# Altium PCB X1000_BB.PcbDoc (part 2 of 2)
Units mil, origin at the board's own origin, x right, y up, seen from the top; angles counter-clockwise.
Board outline 3000 x 3000 mil, 4 copper layers (Top Layer, Signal Layer 1, Signal Layer 2, Bottom Layer), stack 30.634 mil thick; 72 components, 101 nets, 488 pads, 170 vias.
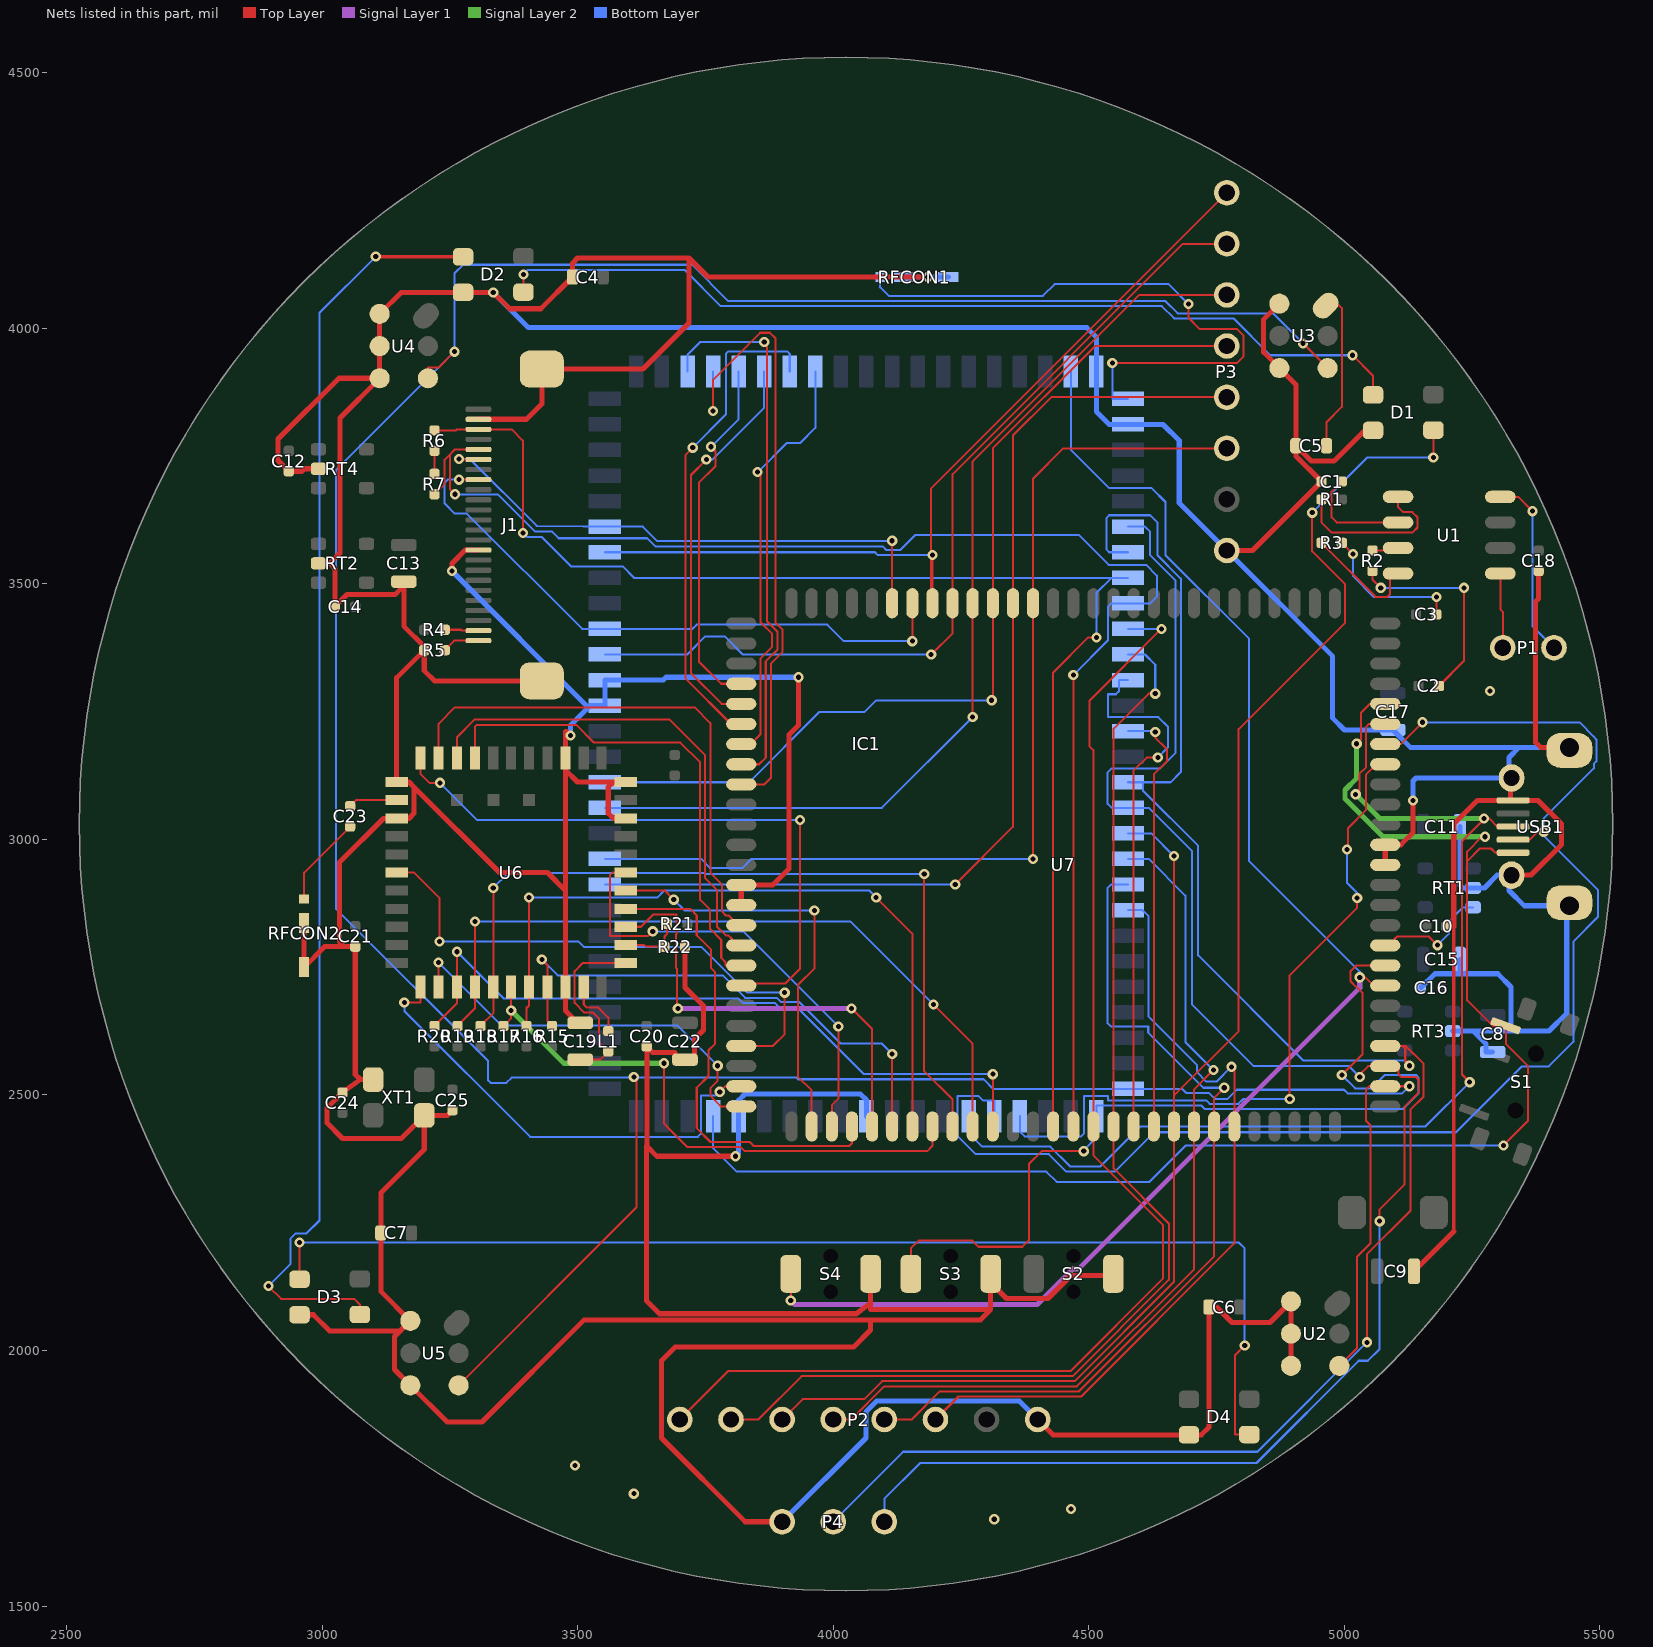
[diagram p4: the nets of this part, all layers, seen from the top]

## Via types
v1: diameter 20, hole 10, Top Layer to Bottom Layer, 170 vias

## Nets (pads, with @x,y where several pads share a name; then routed paths per layer and width w, separated by ;. In a path a pad name is that pad's centre, name@x,y a point inside that pad or via, vN(x,y) a via of type N, cw(c..) or ccw(c..) an arc to the next point about the centre after c; other vN are vias at no path point) (continued)
DMIC_CLK: IC1.94 U2.4 U3.4 U4.4 U5.4 U7.30 | length 6937.9
  Top Layer w4: U4.4@3207.24,3902.01 3207.24,3923 3228,3923 v1(3259,3954) ; U5.4@3267.24,1932.01 3615,2279.76 3615,2530 v1(3610,2535) ; v1(4919.24,3970) U3.4@4967.24,3922.01 ; U2.4@4990,1970 5025,2005 5025,2184 5051,2210 5051,2441 5042,2450 5042,2510 5048.93,2516.93 U7.30@5079.92,2516.93 v1(5127,2516.93)
  Bottom Layer w4: v1@3610,2527 v1@3610,2534 ; v1(3610,2535) v1@3610,2534 ; v1(4919.24,3970) 4860.24,4029 4674,4029 4650,4053 3795,4053 3724,4124 3276,4124 3259,4107 v1(3259,3954) 3027,3722 3027,2864.43 3324.66,2566.76 3324.66,2529.01 3330,2523.68 3360.66,2523.68 3370.99,2534 v1@3610,2534 ; v1(5127,2516.93) 5113.07,2503 5006.39,2503 4999.3,2510.09 4789.05,2510.09 4771.42,2492.46 4746.5,2492.46 4734.97,2504 4690.1,2504 4682.44,2511.65 IC1.94@4576.81,2511.65 4313.33,2511.65 4294.34,2530.64 3931.41,2530.64 3928.05,2534 v1@3610,2534
DVP_PWDN: IC1.38 J1.17 U7.75 | length 1216.7
  Top Layer w4: v1(3268,3703.58) J1.17@3306.02,3703.58 ; v1(4154.72,3387.69) U7.75@4154.72,3461.81
  Bottom Layer w4: v1(3268,3703.58) 3245.58,3703.58 3240,3698 3240,3657 3260,3637 3283.32,3637 3508.66,3411.65 IC1.38@3553.19,3411.65 3724.65,3411.65 3733,3420 3988.28,3420 4020.6,3387.69 v1(4154.72,3387.69)
DVP_RESET: IC1.42 J1.19 U7.76 | length 1073.6
  Top Layer w4: v1(3268,3744) 3269.05,3742.95 J1.19@3306.02,3742.95 ; U7.76@4115.35,3461.81 v1(4115.35,3584)
  Bottom Layer w4: v1(3268,3744) 3289,3744 3419.67,3613.33 3511.13,3611.65 IC1.42@3553.19,3611.65 3627.51,3611.65 3655.17,3584 v1(4115.35,3584)
GND: C1.1 C4.1 C5.1 C6.1 C7.1 C8.1 C9.1 C10.1 C11.1 C12.1 C13.1 C14.1 C15.1 C16.1 C17.1 C18.1 C19.2 C20.1 C21.1 C22.1 C24.1 C25.1 D1.2 D2.2 D3.2 D4.2 IC1.10 IC1.15 IC1.35 IC1.36 IC1.66 IC1.68 J1.0 J1.10 J1.23 P2.8 P3.8 P4.3 R5.2 R22.1 RFCON1.2 RFCON1.3 RFCON2.2 RFCON2.3 RT1.2 RT2.2 RT3.2 RT4.2 S2.2 S3.2 S4.2 U2.1 U2.2 U2.3 U3.1 U3.3 U4.1 U4.2 U4.3 U5.1 U5.3 U6.P1 U6.P3 U6.P20 U6.P31 U6.P33 U6.P36 U7.41 U7.42 U7.95 U7.96 USB1.0 USB1.5 XT1.2 XT1.4 | length 21925.7
  Top Layer w7: 5214,2233 5214,2830
  Top Layer w10: D3.2@2956,2070 2983,2070 3015,2038 3152.76,2038 ; RFCON2.2@2965,2836.61 RFCON2.3@2965,2750 3005,2790 3044,2790 ; RT2.2@2993,3540 3015,3540 ; RT4.2@2993,3725 2966,3725 2961,3720 C12.1@2935,3720 2914,3741 2914,3783 3033.01,3902.01 U4.3@3112.76,3902.01 ; XT1.4@3100,2530 3075,2530 ; C13.1@3160,3504 3160,3490 ; v1(3254,3525) 3254,3539.79 3280,3565.79 J1.10@3306.02,3565.79 ; C25.1@3255,2470 3245,2460 XT1.2@3200,2460 ; J1.23@3306.02,3821.69 3400,3821.69 3430,3851.69 J1.0@3430,3920 3628,3920 3718,4010 3718,4137 ; J1.0@3430,3310 3220,3310 3200,3330 R5.2@3200,3370 ; v1(3486,3203) 3478,3211 3476,3211 U6.P36@3476,3159 3476,3136 ; C19.2@3505,2641 3500.2,2641 3476,2665.2 U6.P20@3476,2711 3476,2900 ; U6.P31@3594,3041 3570,3041 3560,3051 3560,3102 3570,3112 ; U6.P33@3594,3112 3570,3112 ; C20.1@3635,2595 C20.1@3636,2594 ; R22.1@3710,2790 3710,2710.4 3746,2674.4 3746,2627.05 3728.95,2610 3728.95,2569 C22.1@3710,2569 3690,2569 3690,2583.36 3646.64,2583.36 C20.1@3636,2594 ; v1(3809,2380) 3655,2380 3635,2400 ; U7.96@3820.08,2871.26 U7.95@3820.08,2910.63 3881.63,2910.63 3913.5,2942.5 3913.5,3204.5 3932,3223 v1(3932,3317) ; P4.3@3900,1665 3828,1665 3664,1829 3664,1980 3691,2007 4040,2007 4073,2040 4073,2060 ; S4.2@4073,2150 4073,2093 ; v1(4185,4100) 3755,4100 3718,4137 ; S3.2@4308,2150 S3.2@4308,2133 ; P2.8@4400,1865 4430,1835 D4.2@4696,1835 4720,1835 4735,1850 C6.1@4735,2085 4750,2085 4780,2055 4854.53,2055 U2.1@4895.51,2095.98 U2.2@4895.51,2032.99 U2.3@4895.51,1970 ; S2.2@4548,2150 4548,2147 4465,2147 4420,2102 4339,2102 S3.2@4308,2133 ; P3.8@4770,3565 4820,3565 C1.1@4955,3700 4905,3750 C5.1@4905,3770 ; U3.1@4872.76,4047.99 4842,4017.24 4842,3952.76 U3.3@4872.76,3922.01 4905,3889.76 C5.1@4905,3770 ; D1.2@5056,3800 5040,3800 4980,3740 4935,3740 C5.1@4905,3770 ; U7.41@5079.92,2950 U7.42@5079.92,2989.37 5110.37,2989.37 5134,3013 v1(5134,3076) ; C9.1@5136,2155 5214,2233 ; C10.1@5200,2830 5214,2830 5214,3030.18 5260,3076.18 USB1.5@5325,3076.18 ; USB1.0@5322,2930 USB1.0@5327,2930 5365,2930 5425,2990 5425,3030 5378.82,3076.18 USB1.5@5330,3076.18 USB1.5@5325,3076.18 ; USB1.0@5322,3120 5322,3099 5325,3096 USB1.5@5325,3076.18 ; C18.1@5380,3525 5380,3471 5374,3465 5374,3190 5384,3180 USB1.0@5435,3180 ; 3015,3540 3035,3560 3035,3824.25 U4.3@3112.76,3902.01 ; 3015,3540 3025,3530 C14.1@3025,3455 3049,3479 3143,3479 3154,3490 3160,3490 ; 3044,2790 3034,2800 3034,2955 3120,3041 U6.P3@3146,3041 3170,3041 3180,3051 3180,3102 ; 3044,2790 C21.1@3065,2790 3065,2540 3075,2530 ; 3075,2530 C24.1@3040,2505 3010,2475 3010,2445 3040,2415 3155,2415 XT1.2@3200,2460 ; U4.3@3112.76,3902.01 U4.2@3112.76,3965 U4.1@3112.76,4027.99 3154.76,4070 D2.2@3276,4070 v1(3335,4070) 3367,4038 3428,4038 C4.1@3490,4100 3490,4127 3500,4137 3718,4137 ; 3152.76,2038 U5.1@3172.76,2057.99 3115,2115.75 C7.1@3115,2230 3115,2308 3200,2393 XT1.2@3200,2460 ; 3152.76,2038 3142,2027.24 3142,1962.76 U5.3@3172.76,1932.01 3244.76,1860 3313,1860 3513,2060 4073,2060 ; 3160,3490 3160,3417 3200,3377 R5.2@3200,3370 ; 3180,3102 3347,2935 3441,2935 3476,2900 ; 3180,3102 3170,3112 U6.P1@3146,3112 3146,3316 R5.2@3200,3370 ; 3476,2900 3476,3136 ; 3476,3136 3500,3112 3570,3112 ; 3635,2400 3636,2401 C20.1@3636,2594 ; 3635,2400 3635,2097 3660,2072 4045,2072 4073,2093 ; 4073,2060 4288,2060 4308,2080 ; 4073,2093 4073,2080 4308,2080 ; 4308,2080 S3.2@4308,2133
  Bottom Layer w10: v1(3254,3525) 3521,3258 ; v1(3335,4070) 3404,4001 4496,4001 4515,3982 IC1.66@4515,3915 4515,3836.65 4540,3811.65 IC1.68@4576.81,3811.65 4645.35,3811.65 4677,3780 4677,3658 P3.8@4770,3565 4977,3358 4977,3237 5000,3214 C17.1@5095,3214 5129,3180 5342,3180 ; v1(3486,3203) 3486,3223 3521,3258 ; v1(3809,2380) 3815,2386 IC1.15@3815,2458.31 3815,2489.69 3827.31,2502 4053,2502 4065,2490 IC1.10@4065,2458.31 ; P4.3@3900,1665 4064,1829 4064,1880 4085,1901 4364,1901 P2.8@4400,1865 ; v1(3932,3317) 3673,3317 3667.65,3311.65 IC1.36@3553.19,3311.65 IC1.35@3553.19,3261.65 3524.65,3261.65 3521,3258 ; RFCON1.2@4138.39,4100 v1(4185,4100) RFCON1.3@4225,4100 ; v1(5134,3076) 5134,3114 5140,3120 5322,3120 5322,3160 5342,3180 ; C16.1@5150,2710 5177,2737 5226,2737 ; RT3.2@5212,2625 5252,2625 ; C15.1@5226,2765 5226,2737 ; C11.1@5226,3025 5226,2910 5231,2905 RT1.2@5252,2905 5274,2905 5299,2930 5322,2930 5322,2900 5352,2870 5435,2870 5435,2660 5400,2625 5311,2625 ; C8.1@5290,2584 5277,2584 5277,2600 5252,2625 ; USB1.0@5435,3180 5342,3180 ; 5226,2737 5300,2737 5326,2711 5326,2640 5311,2625 ; 5252,2625 5311,2625
  other v1: 4315,1670 4465,1690 3610,1720 3495,1775 5285,3290
HOST_WAKE_BT: U6.P6 U7.103 | length 1081.9
  Top Layer w4: U6.P6@3146,2935 3180,2935 3230,2885 v1(3230,2800) ; U7.103@3820.08,2595.67 3882,2595.67 3905,2618.67 v1(3905,2700)
  Bottom Layer w4: v1(3230,2800) 3502,2800 3513,2789 3742.67,2789 3831.67,2700 v1(3905,2700)
LED_Red: IC1.78 U7.18 | length 1056.6
  Top Layer w4: U7.18@4587.8,2438.19 4587.8,3134.8 4613,3160 v1(4635,3160)
  Bottom Layer w4: IC1.78@4576.81,3311.65 4559,3311.65 4559,3290 4552.83,3283.83 4537.32,3283.83 4537.32,3239 4636,3239 4655,3220 4655,3180 v1(4635,3160)
MSC0_CLK: IC1.54 U7.87 | length 977.1
  Top Layer w4: v1(3725.21,3766.25) 3711.17,3752.21 3711.17,3314.42 3800,3225.59 U7.87@3820.08,3225.59
  Bottom Layer w4: v1(3725.21,3766.25) 3790,3831.04 3790,3949.5 3795,3954.5 3910,3954.5 3915,3949.5 IC1.54@3915,3915
MSC0_CMD: IC1.55 U7.88 | length 838.9
  Top Layer w4: U7.88@3820.08,3186.22 3838.83,3186.22 3857.61,3205 3857.61,3353.63 3880.61,3376.63 3880.61,3402.1 3857.61,3425.1 3857.61,3712.79 v1(3852,3718.39)
  Bottom Layer w4: v1(3852,3718.39) 3908.67,3775.06 3935,3775.06 3965,3805.06 IC1.55@3965,3915
MSC0_D0: IC1.53 U7.86 | length 779.3
  Top Layer w4: v1(3751.75,3742.79) 3721.75,3712.79 3721.75,3324.87 3781.66,3264.96 U7.86@3820.08,3264.96
  Bottom Layer w4: v1(3751.75,3742.79) 3763.22,3742.79 3865,3844.57 IC1.53@3865,3915
MSC0_D1: IC1.52 U7.85 | length 707.8
  Top Layer w4: v1(3761,3768) 3769.75,3759.25 3769.75,3730 3737,3697.25 3737,3347.92 3780.59,3304.33 U7.85@3820.08,3304.33
  Bottom Layer w4: v1(3761,3768) 3815,3822 IC1.52@3815,3915
MSC0_D2: IC1.51 U7.90 | length 1241.2
  Top Layer w4: v1(3765,3838) 3765,3899.09 3856.91,3991 3876,3991 3887,3980 3887,3424 3901,3410 3901,3366.86 3878,3343.86 3878,3120 3865.48,3107.48 U7.90@3820.08,3107.48
  Bottom Layer w4: v1(3765,3838) IC1.51@3765,3915
MSC0_D3: IC1.50 U7.89 | length 1080
  Top Layer w4: U7.89@3820.08,3146.85 3854.85,3146.85 3868,3160 3868,3348 3891,3371 3891,3405.85 3870.62,3426.23 3870.62,3967.38 v1(3865,3973)
  Bottom Layer w4: IC1.50@3715,3915 3715,3948 3740,3973 v1(3865,3973)
MSC1_CLK: R17.1 U6.P17 U7.8 | length 1131.7
  Top Layer w4: R17.1@3355,2635 3370,2650 U6.P17@3370,2711 ; v1(3669,2562) 3669,2444 3715,2398 3818.9,2398 3826.9,2390 4184.09,2390 4194.09,2400 U7.8@4194.09,2438.19
  Signal Layer 2 w10: v1(3370,2665) 3473,2562 v1(3669,2562)
MSC1_CMD: R18.1 U6.P16 U7.9 | length 1653
  Top Layer w4: R18.1@3310,2635 3335,2660 U6.P16@3335,2711 v1(3335,2905) ; v1(4178,2932) 4178,2546.46 4233.46,2491 U7.9@4233.46,2438.19
  Bottom Layer w4: v1(3335,2905) 3364,2934 3749.55,2934 3751.55,2932 v1(4178,2932)
MSC1_D0: R16.1 U6.P18 U7.7 | length 1420.8
  Top Layer w4: R16.1@3400,2635 3400,2670 3405,2675 U6.P18@3405,2711 v1(3405,2886) ; v1(4084,2886) 4154.72,2815.28 U7.7@4154.72,2438.19
  Bottom Layer w4: v1(3405,2886) 3656,2886 3670,2900 4070,2900 v1(4084,2886)
MSC1_D1: R15.1 U6.P19 U7.6 | length 1042.1
  Top Layer w4: v1(3430,2765) 3441,2754 U6.P19@3441,2711 3441,2644 R15.1@3450,2635 ; U7.6@4115.35,2438.19 v1(4115.35,2580)
  Bottom Layer w4: v1(3430,2765) 3461,2734 3783.53,2734 3827.53,2690 3889.54,2690 3897.54,2682 3933,2682 4014.49,2600.51 4094.84,2600.51 v1(4115.35,2580)
MSC1_D2: R20.1 U6.P14 U7.11 | length 1413
  Top Layer w4: R20.1@3220,2635 3264,2679 U6.P14@3264,2711 v1(3264,2780) ; U7.11@4312.2,2438.19 v1(4312.2,2540.64)
  Bottom Layer w4: v1(3264,2780) 3355,2689 3814.39,2689 3823.39,2680 3885.4,2680 3893.4,2672 3928.86,2672 4060.22,2540.64 v1(4312.2,2540.64)
MSC1_D3: R19.1 U6.P15 U7.10 | length 1452.8
  Top Layer w4: R19.1@3265,2635 3299,2669 U6.P15@3299,2711 v1(3299,2839) ; v1(4196,2677) 4272.83,2600.17 U7.10@4272.83,2438.19
  Bottom Layer w4: v1(3299,2839) 4034,2839 v1(4196,2677)
NetC1_2: C1.2 U1.2 | length 212.4
  Top Layer w4: C1.2@4995,3700 4975,3680 4975,3630 4985,3620 U1.2@5105,3620
NetC2_2: C2.2 R2.2 | length 414.9
  Top Layer w4: R2.2@5055,3525 5055,3508 v1(5071,3492) ; C2.2@5185,3300 5234,3349 v1(5234,3492)
  Bottom Layer w4: v1(5071,3492) v1(5234,3492)
NetC3_2: C3.2 R3.2 | length 288.2
  Top Layer w4: R3.2@4995,3580 v1(5017,3558) ; C3.2@5180,3440 v1(5180,3474)
  Bottom Layer w4: v1(5017,3558) 5017,3514.84 5057.84,3474 v1(5180,3474)
NetC19_1: C19.1 L1.1 U6.P23 | length 362.6
  Top Layer w4: C19.1@3505,2569 3544,2569 L1.1@3560,2585 3542,2603 3542,2649 3530,2661 3513,2661 3494,2680 3494,2742 3510,2758 U6.P23@3594,2758
NetC23_1: C23.1 U6.P2 | length 96
  Top Layer w4: C23.1@3055,3065 3067,3077 U6.P2@3146,3077
NetC23_2: C23.2 RFCON2.1 | length 179.2
  Top Layer w4: RFCON2.1@2965,2883.07 2965,2935 C23.2@3055,3025
NetD1_1: D1.1 D2.3 | length 1823.5
  Top Layer w4: D2.3@3394,4070.55 v1(3394,4105) ; v1(5016,3947) 5056,3907 D1.1@5056,3869.45
  Bottom Layer w4: v1(3394,4105) 3403,4114 3709,4114 3780,4043 4642.91,4043 4666.91,4019 4783,4019 4855,3947 v1(5016,3947)
NetD2_1: D2.1 D3.3 | length 2498
  Top Layer w4: v1(2895,2126) 2920,2101 3063,2101 3074,2090 D3.3@3074,2070.55
  Top Layer w7: v1(3105,4140) 3105.55,4139.45 D2.1@3276,4139.45
  Bottom Layer w4: v1(2895,2126) 2938,2169 2938,2218.57 2948.54,2229.12 2969.69,2229.12 2995,2254.43 2995,4030 v1(3105,4140)
NetD3_1: D3.1 D4.3 | length 2325.6
  Top Layer w4: D3.1@2956,2139.45 v1(2956,2211.12) ; v1(4805,2010) 4786,1991 4786,1835.55 D4.3@4814,1835.55
  Bottom Layer w4: v1(2956,2211.12) 4793.88,2211.12 4805,2200 v1(4805,2010)
NetJ1_1: J1.1 R5.1 | length 73.7
  Top Layer w4: R5.1@3240,3370 3258.62,3388.62 J1.1@3306.02,3388.62
NetJ1_2: J1.2 R4.1 | length 66.7
  Top Layer w4: R4.1@3240,3410 3272,3410 3273.69,3408.31 J1.2@3306.02,3408.31
NetL1_2: L1.2 U6.P21 | length 118.9
  Top Layer w4: U6.P21@3512,2711 3512,2676.86 3517.86,2671 3540,2671 3560,2651 L1.2@3560,2625
NetP1_1: P1.1 U1.5 | length 147.1
  Top Layer w4: U1.5@5305,3520 5305,3450 5310,3445 P1.1@5310,3375
NetP1_2: P1.2 U1.8 | length 359
  Top Layer w4: U1.8@5305,3670 5340,3670 v1(5368,3642)
  Bottom Layer w4: v1(5368,3642) 5368,3417 P1.2@5410,3375
NetR1_1: R1.1 U1.1 | length 331.7
  Top Layer w4: R1.1@4955,3665 4955,3620 4975,3600 5133,3600 5143,3610 5143,3630 5133,3640 5115,3640 5105,3650 U1.1@5105,3670
NetR2_1: R2.1 U1.3 | length 52.1
  Top Layer w4: R2.1@5055,3565 5077,3565 5082,3570 U1.3@5105,3570
NetR3_1: R3.1 U1.4 | length 236.4
  Top Layer w4: R3.1@4955,3580 5061,3474 5083.46,3474 5089.46,3480 5089.46,3520 U1.4@5105,3520
NetR21_1: R21.1 R22.2 U6.P24 | length 124.3
  Top Layer w4: U6.P24@3594,2793 3630,2793 3633,2790 R22.2@3670,2790 3670,2810 3675,2815 R21.1@3675,2835
OTG_DM: IC1.5 U7.47 USB1.2 | length 2738.1
  Top Layer w4: U7.47@5079.92,3186.22 5110.22,3186.22 v1(5153,3229) ; USB1.2@5325,2999.41 5362.41,2999.41 5378,3015 v1(5390,3015)
  Bottom Layer w4: IC1.5@4315,2458.31 4315,2489 4293.18,2489 4284.37,2497.8 4242.83,2497.8 4242.83,2420 4278.83,2384 4422,2384 4456,2350 4550.65,2350 4627.65,2427 5218.39,2427 5347.39,2556 5400,2556 5448,2604 5448,2800 5496,2848 5496,2901 5390,3007 v1(5390,3015) 5390,3041 5488,3139 5488,3147.62 5493,3152.62 5493,3195.38 5488,3200.38 5488,3201 5460,3229 v1(5153,3229)
OTG_DP: IC1.6 U7.48 USB1.3 | length 2148.9
  Top Layer w4: v1(5022,3088) 5029.39,3095.39 5029.39,3128.05 5042.39,3141.05 5042.39,3219.98 5048,3225.59 U7.48@5079.92,3225.59 ; v1(5245,2525) 5230,2540 5230,2996 v1@5268,3034 ; v1(5273,3041) 5283,3041 5299,3025 USB1.3@5325,3025
  Signal Layer 2 w10: v1(5022,3088) 5069,3041 v1(5273,3041)
  Bottom Layer w4: IC1.6@4265,2458.31 4265,2425 4291.19,2398.81 4424.77,2398.81 4463.59,2360 4522.19,2360 4600.48,2438.29 5158.29,2438.29 v1(5245,2525)
OTG_ID: IC1.4 U7.46 | length 1415.1
  Top Layer w4: v1(4893,2492) 4893,2734 5025,2866 v1(5025,2885) ; v1@5010,2977 5007,2980 5007,3022 5042,3057 5042,3126 5062.85,3146.85 U7.46@5079.92,3146.85
  Bottom Layer w4: IC1.4@4365,2458.31 4365,2428.53 4374.72,2418.81 4485,2418.81 4491,2424.81 4491,2498 4537.32,2498 4537.32,2489.48 4729.49,2489.48 4736.5,2482.46 4792.5,2482.46 4802.04,2492 v1(4893,2492) ; v1(5005,2980) 5005,2915 5025,2895 v1(5025,2885)
OTG_VBUS: IC1.16 S1.1 U7.49 USB1.1 | length 3010.9
  Top Layer w4: v1(5024,3187) 5032.39,3195.39 5032.39,3247.35 5050,3264.96 U7.49@5079.92,3264.96 ; v1(5275,3005) 5269,3005 5240,2976 5240,2957 ; v1(5311,2401) 5359,2449 5359,2557 5316,2600 5316,2635.22 S1.1@5315.3,2635.22 5290,2635.22 5240,2685.22 5240,2957 ; USB1.1@5325,2973.82 5295,2973.82 5286.82,2982 5265,2982 5240,2957
  Signal Layer 2 w10: v1(5024,3187) 5024,3119.7 5001,3096.7 5001,3079.3 5075.3,3005 v1(5275,3005)
  Bottom Layer w4: IC1.16@3765,2458.31 3765,2395.89 3810.9,2350 4417,2350 4437,2330 4618.79,2330 4689.79,2401 v1(5311,2401)
PCM_CLK: U6.P26 U7.4 | length 943.6
  Top Layer w4: U6.P26@3594,2864 3720,2864 3733,2851 3733,2812 3761,2784 3761,2748 3769,2740 3769,2600 3756,2587 3756,2537 3733,2514 3733,2435 3760,2408 3836.9,2408 3844.9,2400 4031.61,2400 4036.61,2405 U7.4@4036.61,2438.19
PCM_DI: U6.P25 U7.5 | length 882.4
  Top Layer w4: U6.P25@3594,2829 3624,2829 3648,2853 3693,2853 3693,2814 3692,2813 3692,2749 3694,2747 3694,2671 v1(3696,2669) ; v1(4036,2669) 4075.98,2629.02 U7.5@4075.98,2438.19
  Signal Layer 1 w10: v1(3696,2669) v1(4036,2669)
PCM_DO: U6.P27 U7.2 | length 832.4
  Top Layer w4: U6.P27@3594,2900 3670,2900 v1(3688,2882) ; U7.2@3957.87,2438.19 3957.87,2509 3931,2535.87 3931,2715 3963,2747 v1(3963,2861)
  Bottom Layer w4: v1(3688,2882) 3709,2861 v1(3963,2861)
PCM_SYN: U6.P28 U7.3 | length 880.9
  Top Layer w4: U6.P28@3594,2935 3568,2935 3563,2930 3563,2811 3638,2811 v1(3647,2820) ; U7.3@3997.24,2438.19 3997.24,2480 4010,2492.76 v1(4010,2634)
  Bottom Layer w4: v1(3647,2820) 3824,2820 v1(4010,2634)
PWR_ON: RT1.3 U7.37 | length 238.4
  Top Layer w4: U7.37@5079.92,2792.52 5098,2792.52 5098,2805 5103,2810 5165,2810 v1(5182,2793)
  Bottom Layer w4: v1(5182,2793) 5205,2816 5205,2840 5232,2867 RT1.3@5252,2867
RESET_N: IC1.1 S3.1 U7.36 | length 1815.8
  Top Layer w4: S3.1@4152,2150 4152,2200 4167,2215 4272,2215 4284,2203 4370,2203 4383,2216 4383,2365 4408,2390 v1(4490,2390) ; v1(4995,2539) 5035,2579 5035,2700 5023,2712 5022.54,2712 5012,2722.54 5012,2742 5023.15,2753.15 U7.36@5079.92,2753.15
  Bottom Layer w4: v1(4490,2390) 4490,2392 4515,2417 IC1.1@4515,2458.31 4515,2479.48 4719.49,2479.48 4726.5,2472.46 5114.46,2472.46 5145,2503 5145,2534 5140,2539 5079,2539 5053,2513 5021,2513 v1(4995,2539)
RF_IN: IC1.67 RFCON1.1 | length 1208.8
  Top Layer w4: v1(4546,3932) 4790,3932 4803,3945 4803,3985 4790,3998 4717,3998 4695,4020 v1(4695,4047)
  Bottom Layer w4: RFCON1.1@4091.93,4100 4091.93,4080 4108.93,4063 4410.02,4063 4433.02,4086 4656,4086 v1(4695,4047) ; v1(4546,3932) 4546,3861.65 IC1.67@4576.81,3861.65
SDCARD_CD: IC1.80 U7.19 | length 846.7
  Top Layer w4: U7.19@4627.17,2438.19 4627.17,3127.17 4642,3142 4642.46,3142 4653,3152.54 4653,3176 4630,3199 v1(4630,3210)
  Bottom Layer w4: IC1.80@4576.81,3211.65 4628,3211.65 4630,3209.65 v1(4630,3210)
SMB0_SCL: IC1.75 J1.20 R7.1 U7.15 | length 2884.9
  Top Layer w4: R7.1@3220,3675 3240,3695 3240,3742.64 3250,3752.64 ; v1(3260,3675) 3250,3685 3250,3752.64 ; J1.20@3306.02,3762.64 3260,3762.64 3250,3752.64 ; U7.15@4469.69,2438.19 v1(4469.69,3321.37)
  Bottom Layer w4: v1(3260,3675) 3343.86,3675 3416.86,3602 3450,3602 3463,3589 3636,3589 3652,3573 4097,3573 4104,3566 4131,3566 4160,3595 4481,3595 4539,3537 4612,3537 4633,3516 4633,3474.65 4620,3461.65 IC1.75@4576.81,3461.65 4543.97,3461.65 4537.32,3455 4537.32,3389 v1(4469.69,3321.37)
SMB0_SDA: IC1.74 J1.22 R6.1 U7.14 | length 2714
  Top Layer w4: R6.1@3220,3800 3262,3800 3264.01,3802.01 J1.22@3306.02,3802.01 3370.99,3802.01 3393,3780 v1(3393,3599.22) ; U7.14@4430.32,2438.19 4430.32,3326.32 4499,3395 v1(4515,3395)
  Bottom Layer w4: v1(3393,3599.22) 3400.56,3591.65 3429.35,3591.65 3487,3534 3588,3534 3610.35,3511.65 4544.65,3511.65 ; v1(4515,3395) 4515,3482 4544.65,3511.65 ; IC1.74@4576.81,3511.65 4544.65,3511.65
SMB1_SCL/PA00: IC1.29 P3.6 U7.69 | length 2000.6
  Top Layer w4: v1(4390.94,2961.65) U7.69@4390.94,3461.81 4390.94,3705.94 4450,3765 P3.6@4770,3765
  Bottom Layer w4: IC1.29@3553.19,2961.65 3741.45,2961.65 3759.55,2943.56 3822.03,2943.56 3840.12,2961.65 v1(4390.94,2961.65)
SMB1_SCL/PWM1/PC26: IC1.77 P2.2 U7.17 | length 2320.9
  Top Layer w4: P2.2@3800,1865 3853.33,1865 3938.33,1950 4468.43,1950 4656.54,2138.1 4656.54,2248.46 4548.43,2356.57 U7.17@4548.43,2438.19 4548.43,3216.43 4617,3285 v1(4630,3285)
  Bottom Layer w4: IC1.77@4576.81,3361.65 4610,3361.65 4630,3341.65 v1(4630,3285)
SMB1_SDA/PA01: IC1.28 P3.5 U7.70 | length 2060.1
  Top Layer w4: v1(4238.65,2911.65) 4351.57,3024.57 U7.70@4351.57,3461.81 4351.57,3790.01 4426.57,3865 P3.5@4770,3865
  Bottom Layer w4: IC1.28@3553.19,2911.65 v1(4238.65,2911.65)
SMB1_SDA/PWM2/PC27: IC1.76 P2.1 U7.16 | length 2513.4
  Top Layer w4: P2.1@3700,1865 3795,1960 4464.29,1960 4645,2140.71 4645,2245.86 4509.06,2381.8 U7.16@4509.06,2438.19 4509.06,3174.36 4501,3182.42 4501,3270.65 v1(4642,3411.65)
  Bottom Layer w4: IC1.76@4576.81,3411.65 v1(4642,3411.65)
SSI0_CE0: IC1.87 P2.6 U7.23 | length 1551.8
  Top Layer w4: P2.6@4200,1865 4245,1910 4485,1910 4784.65,2209.65 U7.23@4784.65,2438.19 4784.65,2549.35 v1(4779,2555)
  Bottom Layer w4: IC1.87@4576.81,2861.65 4605,2861.65 4617,2849.65 4617,2653.14 4711.85,2558.28 4711.85,2544.15 4730.13,2525.87 4749.87,2525.87 v1(4779,2555)
SSI0_CLK: IC1.86 P2.5 U7.22 | length 1710.3
  Top Layer w4: P2.5@4100,1865 4153.33,1865 4208.33,1920 4480.86,1920 4745.28,2184.42 U7.22@4745.28,2438.19 4745.28,2494.28 v1(4765,2514)
  Bottom Layer w4: IC1.86@4576.81,2911.65 4543.65,2911.65 4537,2905 4537,2640 4543,2634 4616.31,2634 4616.31,2621.69 4724,2514 v1(4765,2514)
SSI0_DR: IC1.85 P2.4 U7.21 | length 1738.8
  Top Layer w4: P2.4@4000,1865 4035,1865 4100,1930 4476.72,1930 4705.91,2159.19 U7.21@4705.91,2438.19 4705.91,2511 v1(4743.73,2548.83)
  Bottom Layer w4: IC1.85@4576.81,2961.65 4617.35,2961.65 4689,2890 4689,2603.56 v1(4743.73,2548.83)
SSI0_DT: D1.3 IC1.84 P2.3 U7.20 | length 3461.1
  Top Layer w4: P2.3@3900,1865 3940,1905 4060.86,1905 4095.86,1940 4472.57,1940 4666.54,2133.96 U7.20@4666.54,2438.19 4666.54,2498 ; v1(4666.54,2967.46) 4666.54,2498 ; v1(4937,3639) 4937,3563.31 5001.31,3499 5001.31,3424 4793,3215.69 4793,2624.46 4666.54,2498 ; v1(5174,3747) D1.3@5174,3800.55
  Bottom Layer w4: IC1.84@4576.81,3011.65 4622.35,3011.65 v1(4666.54,2967.46) ; v1(4937,3639) 5045,3747 v1(5174,3747)
UART0_CTS_N: U6.P44 U7.100 | length 1230.4
  Top Layer w4: U6.P44@3193,3159 3193,3127.49 3210,3110.49 v1(3230.51,3110.49) ; U7.100@3820.08,2713.78 3824.3,2718 3906.22,2718 3935,2746.78 v1(3935,3038)
  Bottom Layer w4: v1(3230.51,3110.49) 3303,3038 v1(3935,3038)
UART0_RTS_N: U6.P41 U7.99 | length 982.5
  Top Layer w4: U6.P41@3299,3159 3299,3220 3303,3224 3497.15,3224 3532,3189.15 3700.85,3189.15 3739.55,3150.45 3739.55,2881.45 3759.08,2861.92 3759.08,2824.92 3781,2803 3781,2768 3789,2760 3789,2753.15 U7.99@3820.08,2753.15
UART0_RXD: U6.P42 U7.98 | length 984
  Top Layer w4: U6.P42@3264,3159 3264,3200 3298,3234 3679.88,3234 3749.55,3164.33 3749.55,2924.11 3772.55,2901.11 3772.55,2829.45 3790,2812 3795,2812 3802,2805 3802,2792.52 U7.98@3820.08,2792.52
UART0_TXD: U6.P43 U7.97 | length 1059
  Top Layer w4: U6.P43@3228,3159 3228,3226 3260,3258 3728.73,3258 3759.55,3227.18 3759.55,2934.45 3782.55,2911.45 3782.55,2858.45 3790,2851 3796,2851 3802,2845 3802,2831.89 U7.97@3820.08,2831.89
UART1_RXD/PA04: IC1.37 P3.2 U7.73 | length 1760.9
  Top Layer w4: v1(4191.65,3361.65) 4233.46,3403.46 U7.73@4233.46,3461.81 4233.46,3714.32 4684.14,4165 P3.2@4770,4165
  Bottom Layer w4: IC1.37@3553.19,3361.65 3714.65,3361.65 3750,3397 3788,3397 3823.35,3361.65 v1(4191.65,3361.65)
UART1_TXD/PA05: IC1.41 P3.1 U7.74 | length 1781.6
  Top Layer w4: v1(4194.09,3556) U7.74@4194.09,3461.81 4191.17,3464.74 4191.17,3686.17 P3.1@4770,4265
  Bottom Layer w4: IC1.41@3553.19,3561.65 4081.7,3561.65 4087.35,3556 v1(4194.09,3556)
UART2_RXD: IC1.72 IC1.83 P4.1 U7.31 | length 3441
  Top Layer w4: v1(5030,2535) 5030,2540 5046.3,2556.3 U7.31@5079.92,2556.3 5106,2556.3 5106,2540 5111,2535 5140,2535 5145,2530 5145,2503.93 5118,2476.93 5118,2325 5069,2276 v1(5069,2253)
  Bottom Layer w4: P4.1@4100,1665 4100,1710 4170,1780 4828,1780 5028,1980 5046,1980 5069,2003 v1(5069,2253) ; IC1.72@4576.81,3611.65 4610,3611.65 4620,3601.65 4620,3556 4670,3506 4670,3169.54 4639.46,3139 4545,3139 4537,3131 4537,3069.65 4545,3061.65 IC1.83@4576.81,3061.65 4617,3061.65 4702.28,2976.37 4702.28,2676.72 4822,2557 5002.46,2557 ; 5003,2557 5008,2557 v1(5030,2535)
UART2_RXD/PA02: IC1.32 P3.4 U7.71 | length 1857.6
  Top Layer w4: v1(4310,3272) 4312.2,3274.2 U7.71@4312.2,3461.81 4312.2,3764.78 4512.43,3965 P3.4@4770,3965
  Bottom Layer w4: IC1.32@3553.19,3111.65 3835.44,3111.65 3973.08,3249.3 4061.3,3249.3 4084,3272 v1(4310,3272)
UART2_TXD: IC1.73 IC1.82 P4.2 U7.32 | length 3631.8
  Top Layer w4: v1(5044,2016) 5044,2188 5129,2273 5129,2471 5155,2497 5155,2560.67 5120,2595.67 5113.33,2595.67 ; U7.32@5079.92,2595.67 5113.33,2595.67 ; v1(5127,2557) 5119,2565 5119,2590 5113.33,2595.67
  Bottom Layer w4: P4.2@4000,1665 4137,1802 4830,1802 v1(5044,2016) ; IC1.82@4576.81,3111.65 IC1.82@4606,3111.65 ; IC1.73@4576.81,3561.65 4540,3561.65 4535,3566.65 4535,3629 4540,3634 4620,3634 4634,3620 4634,3556.14 4680,3510.14 4680,3131.65 4660,3111.65 IC1.82@4606,3111.65 ; v1(5127,2557) 5117,2567 4920,2567 4713.94,2773.06 4713.94,2987.06 4606,3095 IC1.82@4606,3111.65
UART2_TXD/PA03: IC1.31 P3.3 U7.72 | length 1925.5
  Top Layer w4: v1(4272.83,3239.3) U7.72@4272.83,3461.81 4272.83,3739.55 4598.28,4065 P3.3@4770,4065
  Bottom Layer w4: IC1.31@3553.19,3061.65 4095.19,3061.65 v1(4272.83,3239.3)
VCC: R6.2 R7.2 | length 45
  Top Layer w4: R7.2@3220,3715 R6.2@3220,3760
VCC3.3V: C5.2 U3.6 | length 315.2
  Top Layer w4: U3.6@4963.31,4044.06 4990,4044.06 4995,4039.06 4995,3846 4965,3816 C5.2@4965,3770
WAKE_UP: IC1.65 S4.1 U7.35 | length 2969.6
  Top Layer w4: v1(3917,2098) S4.1@3917,2150 ; v1(5030,2730) 5041,2730 5057.22,2713.78 U7.35@5079.92,2713.78
  Signal Layer 1 w10: v1(3917,2098) 3925,2090 4399,2090 4469,2160 4480.36,2160 5030,2709.64 v1(5030,2730)
  Bottom Layer w4: IC1.65@4465,3915 4465,3762 4540,3687 4623,3687 4650,3660 4650,3556 4813,3393 4813,2958 5030,2741 v1(5030,2730)
WL_REG_EN: U6.P12 U7.105 | length 924.8
  Top Layer w4: v1(3161,2681) 3193,2681 U6.P12@3193,2711 ; v1(3778,2506) 3788.93,2516.93 U7.105@3820.08,2516.93
  Bottom Layer w4: v1(3161,2681) 3161,2664.16 3407.16,2418 3735,2418 3741,2424 3741,2499 3771,2499 v1(3778,2506)
WL_WAKE_HOST: U6.P13 U7.106 | length 811.4
  Top Layer w4: U6.P13@3228,2711 v1(3228,2758.83) ; v1(3774,2557) 3774,2527.8 3759.55,2513.35 3759.55,2498.01 3780,2477.56 U7.106@3820.08,2477.56
  Bottom Layer w4: v1(3228,2758.83) 3350.83,2636 3695,2636 v1(3774,2557)
pads on no net: D4.1 IC1.3 IC1.7 IC1.8 IC1.9 IC1.13 IC1.14 IC1.17 IC1.18 IC1.19 IC1.20 IC1.21 IC1.22 IC1.23 IC1.24 IC1.25 IC1.26 IC1.27 IC1.30 IC1.39 IC1.40 IC1.43 IC1.44 IC1.45 IC1.46 IC1.47 IC1.48 IC1.49 IC1.56 IC1.57 IC1.58 IC1.59 IC1.64 IC1.70 IC1.79 IC1.81 IC1.88 IC1.89 IC1.90 IC1.91 IC1.92 J1.24 RT1.4 RT2.4 RT3.4 RT4.4 S1.0 S1.3 S2.0 S3.0 S4.0 U1.7 U6.P4 U6.P5 U6.P8 U6.P29 U6.P30 U6.P32 U6.P35 U6.P37 U6.P38 U6.P39 U6.P40 U6.TP1 U6.TP2 U6.TP3 U7.1 U7.12 U7.24 U7.25 U7.26 U7.27 U7.28 U7.45 U7.52 U7.53 U7.54 U7.55 U7.56 U7.57 U7.58 U7.59 U7.60 U7.61 U7.62 U7.63 U7.64 U7.65 U7.66 U7.67 U7.68 U7.101 USB1.4
copper on no net:
  other v1: 4310,2780 3270,2940 5485,3045 4060,3170 5270,3770

## Polygon pours and split planes (outlines as drawn)
GND on Bottom Layer "Top Layer-No Net" (solid, remove dead copper, pour order 6): 3015,4117.5 3015,1405 3050,1440 5635,1440 5635,4055 5577.4,4112.6
GND on Top Layer "Top Layer-No Net" (solid, remove dead copper, pour order 0): 2955,2360 2955.16,2856.3 3560,2856.3 3560,2360
GND on Top Layer "Top Layer-No Net" (solid, remove dead copper, pour order 4): 3065,3950 3065,1520 5530,1520 5530,3950
GND on Signal Layer 1 "Top Layer-No Net" (solid, remove dead copper, pour order 2): 3005,4069.57 3005,1525 5530,1525 5535,1530 5525,1540 5525,4061.16

## Keep-outs
Keep-Out Layer:
  circle w10: c4025,3030 r1500

## Silkscreen, mask and mechanical layers (free items; w line width, h text height)
Top Overlay:
  lines w10: 3195,2315 4000,2315 ; 3210,2570 3450,2570 ; 3355,2565 3525,2395
  text "20190331_V1.0" at 4105,1740 h48

## Text inside footprints (layer, text, board x,y; h text height)
RFCON1: Mechanical 11 "1" at 4095.08,4100 h7.87; Mechanical 11 "2" at 4141.54,4100 h7.87; Mechanical 11 "3" at 4228.15,4100 h7.87; Mechanical 16 "MICHAL BLACHUCKI" at 4511.02,4159.33 h7.87; Mechanical 16 "ROBERT MITAL" at 4511.02,4175.08 h7.87; Mechanical 16 "2011-09-19" at 4511.02,4145.55 h7.87
RFCON2: Mechanical 11 "1" at 2965,2879.92 h7.87 r90; Mechanical 11 "2" at 2965,2833.46 h7.87 r90; Mechanical 11 "3" at 2965,2746.85 h7.87 r90; Mechanical 16 "MICHAL BLACHUCKI" at 2905.67,2463.98 h7.87 r90; Mechanical 16 "ROBERT MITAL" at 2889.92,2463.98 h7.87 r90; Mechanical 16 "2011-09-19" at 2919.45,2463.98 h7.87 r90